# KiCad board PANEL_COM_MOD.kicad_pcb (continued)
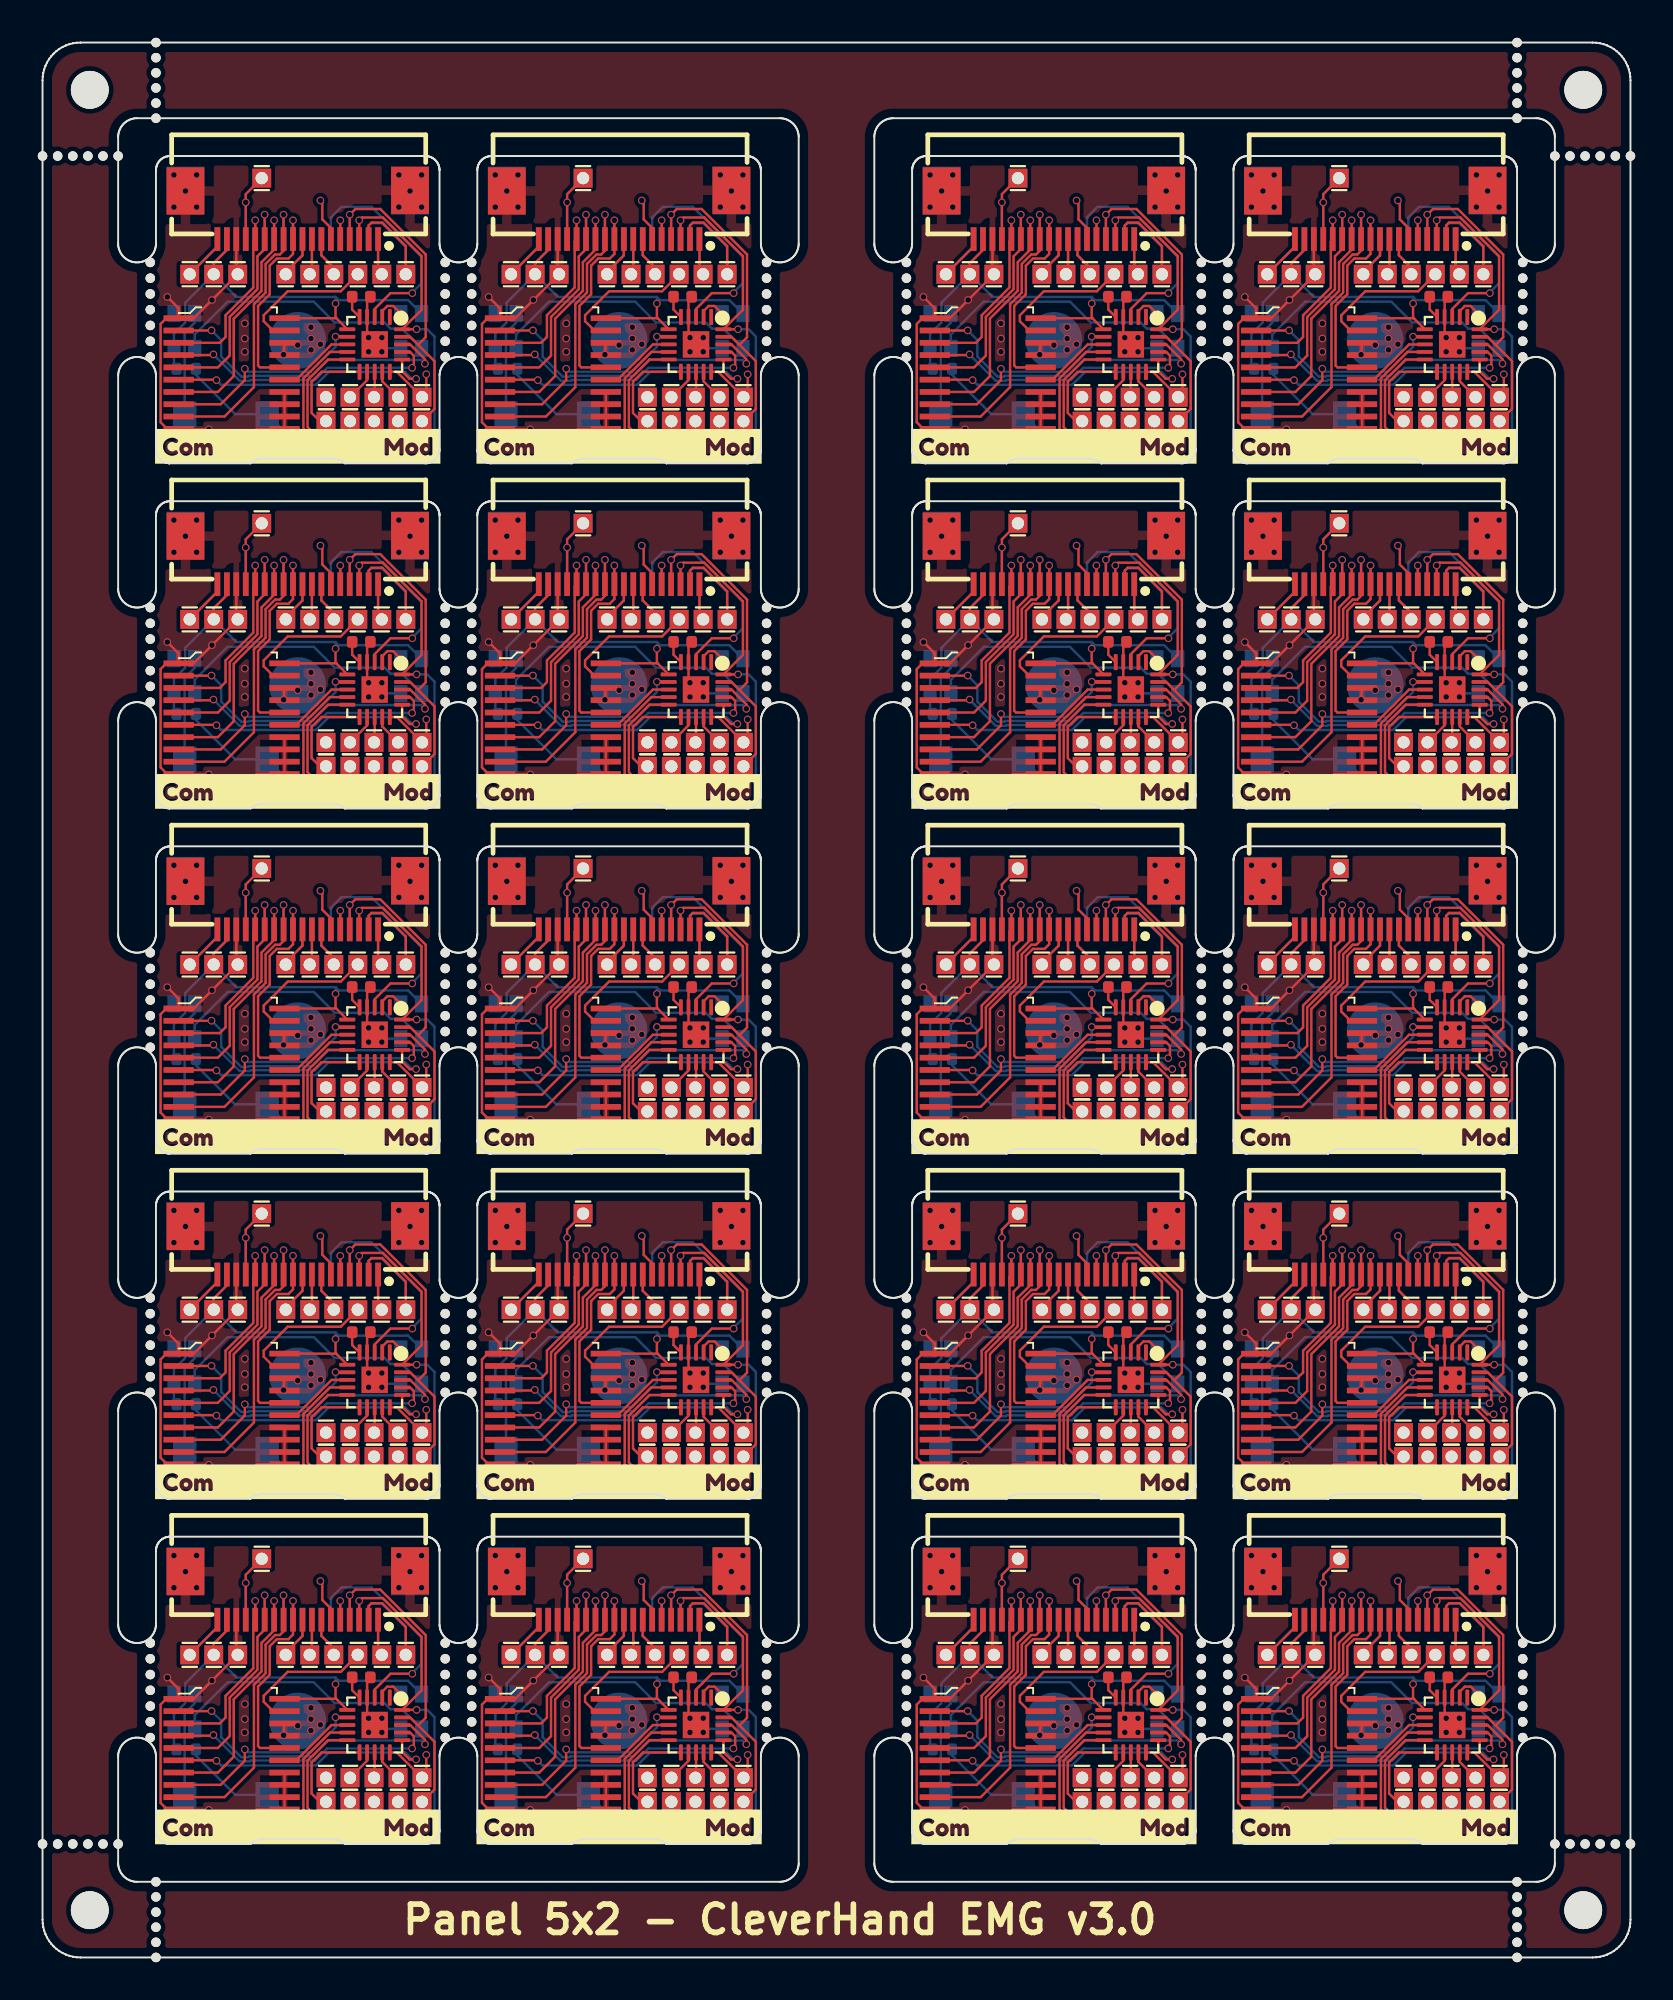
[diagram p0: board, top side]
## Routing (per net, layer and track width the routed paths; a pad name or vN(x,y) marks a point on that pad's centre or on a via; arc(x,y) is an arc through that point) (continued)
Board_7-Net-(LED1-DO): length 14.5
  Bottom w0.127: 77.05,66.84 76.01,67.88 75.41,67.88 75.09,68.2 72.45,68.2 71.35,69.3 66.79,69.3 65.05,67.56 65.05,66.84
Board_8-+3.3V: length 26.7
  Top w0.127: 9.75,54.33 9.75,53.79 9.05,53.09 J1#15.1 ; U2#20.20 15.53,50.18 15.55,50.16 ; 15.55,50.16 15.5,50.21 v1(15.5,50.95) ; 15.55,50.16 U1#10.6
  Bottom w0.127: J1#15.1 10.25,51.3 15.5,51.3 ; J1#15.1 7.55,50.99 7.55,49.95 6.95,49.35 6.95,47.64 R1#8.1 ; J1#15.1 9.05,53.09 9.75,53.79 9.75,54.33 ; 15.5,51.3 15.67,51.13 19.34,51.13 20.05,50.42 ; 15.5,51.3 v1(15.5,50.95)
Board_8-/addr_bus_0: length 10.5
  Top w0.127: v1(11.25,55.35) 11.25,54.33 11.15,54.23 11.15,51.8 9.68,50.33 9.68,49.18 9.37,48.88 U2#20.3
  Bottom w0.127: 11.25,54.33 v1(11.25,55.35)
Board_8-/addr_bus_1: length 12.5
  Top w0.127: U2#20.5 9.27,47.58 9.9,48.2 9.9,50.24 11.37,51.71 11.37,53.45 11.75,53.83 v1(11.75,55.65)
  Bottom w0.127: 11.75,54.33 v1(11.75,55.65)
Board_8-/addr_bus_2: length 13.4
  Top w0.127: U2#20.7 9.27,46.28 10.12,47.12 10.12,50.15 11.58,51.62 11.58,53.13 12.25,53.8 v1(12.25,55.35)
  Bottom w0.127: 12.25,54.33 v1(12.25,55.35)
Board_8-/addr_bus_3: length 15.9
  Top w0.127: v1(12.75,55.65) 12.75,53.74 12.55,53.55 12.3,53.55 11.8,53.04 11.8,51.53 11.18,50.91 11.18,46.53 9.62,44.98 U2#20.9
  Bottom w0.127: 12.75,54.33 v1(12.75,55.65)
Board_8-/addr_bus_4: length 11.3
  Top w0.127: U2#20.16 11.5,47.58 11.4,47.68 11.4,50.82 12.02,51.44 12.02,52.95 12.39,53.33 13.01,53.33 13.25,53.57 v1(13.25,55.35)
  Bottom w0.127: 13.25,54.33 v1(13.25,55.35)
Board_8-/addr_mod_0: length 16.8
  Top w0.127: v1(20.23,47.77) 20.23,48.01 19.44,48.79 U1#10.18 ; v1(8.94,49.53) 8.93,49.53 U2#20.2
  Bottom w0.127: v1(20.23,47.77) 20.03,47.97 15.12,47.97 14.27,47.13 10.91,47.13 10.87,47.09 10.51,47.09 9.45,48.15 9.45,49.02 v1(8.94,49.53)
Board_8-/addr_mod_1: length 14.6
  Top w0.127: v1(9.04,48.26) 9,48.23 U2#20.4 ; v1(19.55,47.55) 19.55,47.61 19.64,47.7 19.64,48.2 19.44,48.39 U1#10.17
  Bottom w0.127: v1(19.55,47.55) 15.05,47.55 14.41,46.91 11,46.91 10.96,46.87 10.42,46.87 9.04,48.25 v1(9.04,48.26)
Board_8-/addr_mod_2: length 14.6
  Top w0.127: v1(9.2,46.9) 9.17,46.93 U2#20.6 ; v1(19.76,46.97) 19.42,46.97 19.02,47.37 U1#10.16
  Bottom w0.127: v1(19.76,46.97) 19.55,46.97 19.18,47.33 15.14,47.33 14.46,46.65 9.45,46.65 v1(9.2,46.9)
Board_8-/addr_mod_3: length 11.2
  Top w0.127: v1(10.7,47.5) 10.7,46.9 9.42,45.63 U2#20.8 ; v1(15.5,49.2) 15.68,49.2 15.69,49.19 U1#10.7
  Bottom w0.127: v1(15.5,49.2) 15.5,48.66 14.18,47.35 10.85,47.35 v1(10.7,47.5)
Board_8-/addr_mod_4: length 4.1
  Top w0.127: U2#20.15 13.42,46.93 15.29,48.79 16.12,48.79 U1#10.8
Board_8-/AIN0: length 5.3
  Top w0.127: U1#10.11 14.76,47.34 14.23,46.81 14.23,45.17 14.67,44.73 15,44.73
Board_8-/AUX1: length 4.9
  Top w0.127: J19#17.1 9.25,53.97 9.25,54.33
  Bottom w0.127: J19#17.1 9.25,53.97 9.25,54.33
Board_8-/AUX2: length 9.5
  Top w0.127: J20#5.1 19.21,53.99 17.97,55.23 17.4,55.23 17.25,55.08 17.25,54.33
  Bottom w0.127: J20#5.1 19.21,53.94 17.96,55.2 17.37,55.2 17.25,55.08 17.25,54.33
Board_8-/AUX3: length 5.6
  Top w0.127: J3#13.1 10.75,56.74 v1(10.75,56.3) 10.75,54.33
  Bottom w0.127: v1(10.75,56.3) 10.75,54.33
Board_8-/CSB: length 7.5
  Top w0.127: J8#13.1 15.77,51.6 12.97,51.6 11.7,50.33 11.7,50.02 12.19,49.53 U2#20.19
Board_8-/extRef: length 3.8
  Top w0.127: 17.75,54.33 17.75,52.7 J9#3.1
  Bottom w0.127: 17.75,54.33 17.75,52.7 J9#3.1
Board_8-/GPIO: length 17.7
  Top w0.127: 16.27,44.73 15.62,44.08 14.36,44.08 14.02,44.42 14.02,46.9 15.1,47.99 U1#10.10
  Bottom w0.127: 16.27,44.73 15.62,44.08 12.91,44.08 11.88,45.1 10.19,45.1 8.11,47.18 R1#8.2
Board_8-/i2C_SCL: length 19.7
  Top w0.127: v1(19.79,49.59) U1#10.20 20.05,50.62 20.05,53.46 18.01,55.5 16.9,55.5 v1(16.75,55.35) 16.75,54.33
  Bottom w0.127: v1(19.79,49.59) 20.35,49.59 20.73,49.21 20.73,44.08 19.46,44.08 18.81,44.73 ; v1(16.75,55.35) 16.75,54.33
Board_8-/I2C_SDA: length 18.4
  Top w0.127: 19.87,48.77 20.73,47.9 20.73,45.38 20.08,44.73 ; 19.87,48.77 19.44,49.19 U1#10.19 ; 19.87,48.77 20.27,49.17 20.27,53.55 17.86,55.95 16.55,55.95 v1(16.25,55.65) 16.25,54.33
  Bottom w0.127: v1(16.25,55.65) 16.25,54.33
Board_8-/IO1_in: length 12.2
  Top w0.127: v1(19.56,51.5) 18.4,51.5 17.57,50.67 U1#10.3
  Bottom w0.127: v1(19.56,51.5) 19.56,51.54 20.05,52.03 20.05,53.41 17.4,56.06 15.81,56.06 15.25,55.5 15.25,54.33
Board_8-/IO1_out: length 19.7
  Top w0.127: 15.25,54.33 15.25,54.95 14.8,55.4 14.8,56.3 v1(14.7,56.4) ; v1(20.3,47.21) 20.3,46.22 20.08,46 18.74,47.34 U1#10.15
  In2.Cu w0.127: v1(20.3,47.21) 20.64,47.55 20.64,53.61 17.65,56.6 14.9,56.6 v1(14.7,56.4)
Board_8-/IO2: length 2.1
  Top w0.127: v1(15.75,55.35) 15.75,54.33
  Bottom w0.127: 15.75,54.33 v1(15.75,55.35)
Board_8-/LED_IN: length 1.6
  Top w0.127: U1#10.2 17.97,50.55 18.23,50.82 18.55,50.82 v1(18.95,50.42)
Board_8-/PICO: length 3.7
  Top w0.127: J6#7.1 14.25,52.62 14.25,54.33
  Bottom w0.127: J6#7.1 14.25,52.62 14.25,54.33
Board_8-/PICO_ARM: length 1.4
  Top w0.127: 17.54,46 17.57,46.03 U1#10.13
Board_8-/POCI: length 4.4
  Top w0.127: 13.75,54.33 13.75,53.5 12.86,52.62 J5#14.1
  Bottom w0.127: J5#14.1 12.86,52.62 13.75,53.5 13.75,54.33
Board_8-/SCLK: length 4.2
  Top w0.127: J7#11.1 15.41,52.85 14.75,53.5 14.75,54.33
  Bottom w0.127: J7#11.1 15.41,52.85 14.75,53.5 14.75,54.33
Board_8-/SCLK_ARM: length 1.7
  Top w0.127: 16.27,46 17.17,46.9 U1#10.12
Board_8-/SPICS_ARM: length 9.9
  Top w0.127: U1#10.9 15.2,48.39 13.8,46.99 13.8,44.33 14.27,43.86 16.67,43.86 17.54,44.73
Board_8-/SWDIO/POCI_ARM: length 1.7
  Top w0.127: U1#10.14 17.97,46.84 18.81,46
Board_8-/Vcap: length 1.2
  Top w0.127: C1#9.2 16.38,50.63 U1#10.5
Board_8-GND: length 34.7
  Top w0.127: U2#20.11 11.32,44.33 v1(11.1,44.1) ; U2#20.11 13.45,44.33 ; U2#20.11 U2#20.14 12.34,46.28 ; U2#20.1 7.2,50.7 v1(6.6,51.3) ; U2#20.1 8,50.18 v1(8.96,51.14) J2#4.1 10.25,52.58 10.25,54.33 ; U2#20.1 6.55,50.18 6.25,49.87 6.25,44.67 6.59,44.33 U2#20.10 7.23,44.3 v1(8.8,44.3) ; U2#20.18 v1(12.75,48.25) U2#20.17 ; U1#10.21 17.25,49.11 v1(17.25,49.15) 17.21,49.15 17.17,49.19 U1#10.4 17.17,51.14 C1#9.1
  Bottom w0.127: 17.66,48.59 17.76,48.59 v1(17.95,48.4) 18.13,48.59 18.95,48.59 ; 7.51,45.1 7.51,49.4 8.05,49.94 8.05,50.42 8.24,50.42 v1(8.96,51.14) ; J2#4.1 10.25,52.58 10.25,54.33
  vias: v1(6.95,57.75) v1(6.95,56.05) v1(7.56,56.9) v1(8.15,57.75) v1(8.15,56.05) v1(10.7,49.9) v1(10.7,49.1) v1(10.7,48.4) v1(13.5,48.75) v1(14.2,49.7) v1(14.2,49.1) v1(14.2,48.5) v1(14.7,48.8) v1(17.25,48.4) v1(17.95,49.15) v1(18.85,57.75) v1(18.85,56.05) v1(19.44,56.9) v1(20.05,57.75) v1(20.05,56.05)
Board_8-Net-(LED1-DO): length 14.5
  Bottom w0.127: 8.05,48.59 8.05,49.31 9.79,51.05 14.35,51.05 15.45,49.95 18.09,49.95 18.41,49.63 19.01,49.63 20.05,48.59
Board_9-+3.3V: length 26.7
  Top w0.127: U2#15.20 32.53,50.18 32.55,50.16 ; v1(32.5,50.95) 32.5,50.21 32.55,50.16 ; 26.75,54.33 26.75,53.79 26.05,53.09 J1#8.1 ; 32.55,50.16 U1#15.6
  Bottom w0.127: R1#17.1 23.95,47.64 23.95,49.35 24.55,49.95 24.55,50.99 J1#8.1 ; 37.05,50.42 36.34,51.13 32.67,51.13 32.5,51.3 ; 26.75,54.33 26.75,53.79 26.05,53.09 J1#8.1 ; J1#8.1 27.26,51.3 32.5,51.3 ; 32.5,51.3 v1(32.5,50.95)
Board_9-/addr_bus_0: length 10.5
  Top w0.127: v1(28.25,55.35) 28.25,54.33 28.15,54.23 28.15,51.8 26.68,50.33 26.68,49.18 26.37,48.88 U2#15.3
  Bottom w0.127: 28.25,54.33 v1(28.25,55.35)
Board_9-/addr_bus_1: length 12.5
  Top w0.127: U2#15.5 26.27,47.58 26.9,48.2 26.9,50.24 28.37,51.71 28.37,53.45 28.75,53.83 v1(28.75,55.65)
  Bottom w0.127: 28.75,54.33 v1(28.75,55.65)
Board_9-/addr_bus_2: length 13.4
  Top w0.127: v1(29.25,55.35) 29.25,53.8 28.58,53.13 28.58,51.62 27.12,50.15 27.12,47.12 26.27,46.28 U2#15.7
  Bottom w0.127: 29.25,54.33 v1(29.25,55.35)
Board_9-/addr_bus_3: length 15.9
  Top w0.127: v1(29.75,55.65) 29.75,53.74 29.55,53.55 29.3,53.55 28.8,53.04 28.8,51.53 28.18,50.91 28.18,46.53 26.62,44.98 U2#15.9
  Bottom w0.127: 29.75,54.33 v1(29.75,55.65)
Board_9-/addr_bus_4: length 11.3
  Top w0.127: v1(30.25,55.35) 30.25,53.57 30.01,53.33 29.39,53.33 29.02,52.95 29.02,51.44 28.4,50.82 28.4,47.68 28.5,47.58 U2#15.16
  Bottom w0.127: 30.25,54.33 v1(30.25,55.35)
Board_9-/addr_mod_0: length 16.8
  Top w0.127: v1(25.94,49.53) 25.93,49.53 U2#15.2 ; U1#15.18 36.44,48.79 37.23,48.01 v1(37.23,47.77)
  Bottom w0.127: v1(37.23,47.77) 37.03,47.97 32.12,47.97 31.27,47.13 27.91,47.13 27.87,47.09 27.51,47.09 26.45,48.15 26.45,49.02 v1(25.94,49.53)
Board_9-/addr_mod_1: length 14.6
  Top w0.127: U2#15.4 26,48.23 v1(26.04,48.26) ; v1(36.55,47.55) 36.55,47.61 36.64,47.7 36.64,48.2 36.44,48.39 U1#15.17
  Bottom w0.127: v1(26.04,48.26) 26.04,48.25 27.42,46.87 27.96,46.87 28,46.91 31.41,46.91 32.05,47.55 v1(36.55,47.55)
Board_9-/addr_mod_2: length 14.6
  Top w0.127: v1(36.76,46.97) 36.42,46.97 36.02,47.37 U1#15.16 ; U2#15.6 26.17,46.93 v1(26.2,46.9)
  Bottom w0.127: v1(36.76,46.97) 36.55,46.97 36.18,47.33 32.14,47.33 31.46,46.65 26.45,46.65 v1(26.2,46.9)
Board_9-/addr_mod_3: length 11.2
  Top w0.127: U2#15.8 26.42,45.63 27.7,46.9 v1(27.7,47.5) ; U1#15.7 32.69,49.19 32.68,49.2 v1(32.5,49.2)
  Bottom w0.127: v1(32.5,49.2) 32.5,48.66 31.18,47.35 27.85,47.35 v1(27.7,47.5)
Board_9-/addr_mod_4: length 4.1
  Top w0.127: U1#15.8 33.12,48.79 32.29,48.79 30.42,46.93 U2#15.15
Board_9-/AIN0: length 5.3
  Top w0.127: 32,44.73 31.67,44.73 31.23,45.17 31.23,46.81 31.76,47.34 U1#15.11
Board_9-/AUX1: length 4.9
  Top w0.127: 26.25,54.33 26.25,53.97 J19#3.1
  Bottom w0.127: 26.25,54.33 26.25,53.97 J19#3.1
Board_9-/AUX2: length 9.5
  Top w0.127: J20#8.1 36.22,53.99 34.97,55.23 34.4,55.23 34.25,55.08 34.25,54.33
  Bottom w0.127: 34.25,54.33 34.25,55.08 34.37,55.2 34.96,55.2 36.22,53.94 J20#8.1
Board_9-/AUX3: length 5.6
  Top w0.127: J3#17.1 27.75,56.74 v1(27.75,56.3) 27.75,54.33
  Bottom w0.127: v1(27.75,56.3) 27.75,54.33
Board_9-/CSB: length 7.5
  Top w0.127: J8.1 32.77,51.6 29.97,51.6 28.7,50.33 28.7,50.02 29.19,49.53 U2#15.19
Board_9-/extRef: length 3.8
  Top w0.127: J9#15.1 34.75,52.7 34.75,54.33
  Bottom w0.127: J9#15.1 34.75,52.7 34.75,54.33
Board_9-/GPIO: length 17.7
  Top w0.127: 33.27,44.73 32.62,44.08 31.36,44.08 31.02,44.42 31.02,46.9 32.1,47.99 U1#15.10
  Bottom w0.127: 33.27,44.73 32.62,44.08 29.91,44.08 28.88,45.1 27.19,45.1 25.11,47.18 R1#17.2
Board_9-/i2C_SCL: length 19.7
  Top w0.127: v1(36.79,49.59) U1#15.20 37.05,50.62 37.05,53.46 35.01,55.5 33.9,55.5 v1(33.75,55.35) 33.75,54.33
  Bottom w0.127: v1(36.79,49.59) 37.35,49.59 37.73,49.21 37.73,44.08 36.46,44.08 35.81,44.73 ; v1(33.75,55.35) 33.75,54.33
Board_9-/I2C_SDA: length 18.4
  Top w0.127: 33.25,54.33 v1(33.25,55.65) 33.55,55.95 34.86,55.95 37.27,53.55 37.27,49.17 36.87,48.77 ; 36.87,48.77 36.44,49.19 U1#15.19 ; 36.87,48.77 37.73,47.9 37.73,45.38 37.08,44.73
  Bottom w0.127: v1(33.25,55.65) 33.25,54.33
Board_9-/IO1_in: length 12.2
  Top w0.127: U1#15.3 34.57,50.67 35.4,51.5 v1(36.56,51.5)
  Bottom w0.127: v1(36.56,51.5) 36.56,51.54 37.05,52.03 37.05,53.41 34.4,56.06 32.81,56.06 32.25,55.5 32.25,54.33
Board_9-/IO1_out: length 19.7
  Top w0.127: v1(37.3,47.21) 37.3,46.22 37.08,46 35.74,47.34 U1#15.15 ; v1(31.7,56.4) 31.8,56.3 31.8,55.4 32.25,54.95 32.25,54.33
  In2.Cu w0.127: v1(31.7,56.4) 31.9,56.6 34.65,56.6 37.64,53.61 37.64,47.55 v1(37.3,47.21)
Board_9-/IO2: length 2.1
  Top w0.127: v1(32.75,55.35) 32.75,54.33
  Bottom w0.127: 32.75,54.33 v1(32.75,55.35)
Board_9-/LED_IN: length 1.6
  Top w0.127: U1#15.2 34.97,50.55 35.23,50.82 35.55,50.82 v1(35.95,50.42)
Board_9-/PICO: length 3.7
  Top w0.127: 31.25,54.33 31.25,52.62 J6#10.1
  Bottom w0.127: J6#10.1 31.25,52.62 31.25,54.33
Board_9-/PICO_ARM: length 1.4
  Top w0.127: U1#15.13 34.57,46.03 34.54,46
Board_9-/POCI: length 4.4
  Top w0.127: J5#8.1 29.87,52.62 30.75,53.5 30.75,54.33
  Bottom w0.127: 30.75,54.33 30.75,53.5 29.87,52.62 J5#8.1
Board_9-/SCLK: length 4.2
  Top w0.127: 31.75,54.33 31.75,53.5 32.41,52.85 J7#3.1
  Bottom w0.127: J7#3.1 32.41,52.85 31.75,53.5 31.75,54.33
Board_9-/SCLK_ARM: length 1.7
  Top w0.127: U1#15.12 34.17,46.9 33.27,46
Board_9-/SPICS_ARM: length 9.9
  Top w0.127: 34.54,44.73 33.67,43.86 31.27,43.86 30.8,44.33 30.8,46.99 32.2,48.39 U1#15.9
Board_9-/SWDIO/POCI_ARM: length 1.7
  Top w0.127: 35.81,46 34.97,46.84 U1#15.14
Board_9-/Vcap: length 1.2
  Top w0.127: U1#15.5 33.38,50.63 C1#16.2
Board_9-GND: length 34.7
  Top w0.127: U2#15.11 30.45,44.33 ; U2#15.11 U2#15.14 29.34,46.28 ; U2#15.11 28.32,44.33 v1(28.1,44.1) ; U2#15.18 v1(29.75,48.25) U2#15.17 ; U2#15.1 25,50.18 v1(25.96,51.14) J2#15.1 27.25,52.58 27.25,54.33 ; U2#15.1 24.2,50.7 v1(23.6,51.3) ; U2#15.1 23.55,50.18 23.25,49.87 23.25,44.67 23.59,44.33 U2#15.10 24.23,44.3 v1(25.8,44.3) ; U1#15.21 34.25,49.11 v1(34.25,49.15) 34.21,49.15 34.17,49.19 U1#15.4 34.17,51.14 C1#16.1
  Bottom w0.127: 34.66,48.59 34.76,48.59 v1(34.95,48.4) 35.13,48.59 35.95,48.59 ; 24.51,45.1 24.51,49.4 25.05,49.94 25.05,50.42 25.24,50.42 v1(25.96,51.14) ; 27.25,54.33 27.25,52.58 J2#15.1
  vias: v1(23.95,57.75) v1(23.95,56.05) v1(24.56,56.9) v1(25.15,57.75) v1(25.15,56.05) v1(27.7,49.9) v1(27.7,49.1) v1(27.7,48.4) v1(30.5,48.75) v1(31.2,49.7) v1(31.2,49.1) v1(31.2,48.5) v1(31.7,48.8) v1(34.25,48.4) v1(34.95,49.15) v1(35.85,57.75) v1(35.85,56.05) v1(36.44,56.9) v1(37.05,57.75) v1(37.05,56.05)
Board_9-Net-(LED1-DO): length 14.5
  Bottom w0.127: 25.05,48.59 25.05,49.31 26.79,51.05 31.35,51.05 32.45,49.95 35.09,49.95 35.41,49.63 36.01,49.63 37.05,48.59
Board_10-+3.3V: length 26.7
  Top w0.127: 55.55,50.16 55.5,50.21 v1(55.5,50.95) ; 55.55,50.16 55.53,50.18 U2#2.20 ; 55.55,50.16 U1#14.6 ; 49.75,54.33 49.75,53.79 49.05,53.09 J1#19.1
  Bottom w0.127: R1#5.1 46.95,47.64 46.95,49.35 47.55,49.95 47.55,50.99 J1#19.1 ; 55.5,51.3 50.26,51.3 J1#19.1 ; 55.5,51.3 55.67,51.13 59.34,51.13 60.05,50.42 ; 55.5,51.3 v1(55.5,50.95) ; J1#19.1 49.05,53.09 49.75,53.79 49.75,54.33
Board_10-/addr_bus_0: length 10.5
  Top w0.127: U2#2.3 49.37,48.88 49.68,49.18 49.68,50.33 51.15,51.8 51.15,54.23 51.25,54.33 v1(51.25,55.35)
  Bottom w0.127: 51.25,54.33 v1(51.25,55.35)
Board_10-/addr_bus_1: length 12.5
  Top w0.127: v1(51.75,55.65) 51.75,53.83 51.37,53.45 51.37,51.71 49.9,50.24 49.9,48.2 49.27,47.58 U2#2.5
  Bottom w0.127: 51.75,54.33 v1(51.75,55.65)
Board_10-/addr_bus_2: length 13.4
  Top w0.127: U2#2.7 49.27,46.28 50.12,47.12 50.12,50.15 51.58,51.62 51.58,53.13 52.25,53.8 v1(52.25,55.35)
  Bottom w0.127: 52.25,54.33 v1(52.25,55.35)
Board_10-/addr_bus_3: length 15.9
  Top w0.127: v1(52.75,55.65) 52.75,53.74 52.55,53.55 52.3,53.55 51.8,53.04 51.8,51.53 51.18,50.91 51.18,46.53 49.62,44.98 U2#2.9
  Bottom w0.127: 52.75,54.33 v1(52.75,55.65)
Board_10-/addr_bus_4: length 11.3
  Top w0.127: U2#2.16 51.5,47.58 51.4,47.68 51.4,50.82 52.02,51.44 52.02,52.95 52.39,53.33 53.01,53.33 53.25,53.57 v1(53.25,55.35)
  Bottom w0.127: 53.25,54.33 v1(53.25,55.35)
Board_10-/addr_mod_0: length 16.8
  Top w0.127: U2#2.2 48.93,49.53 v1(48.94,49.53) ; U1#14.18 59.44,48.79 60.23,48.01 v1(60.23,47.77)
  Bottom w0.127: v1(60.23,47.77) 60.03,47.97 55.12,47.97 54.27,47.13 50.91,47.13 50.87,47.09 50.51,47.09 49.45,48.15 49.45,49.02 v1(48.94,49.53)
Board_10-/addr_mod_1: length 14.6
  Top w0.127: v1(59.55,47.55) 59.55,47.61 59.64,47.7 59.64,48.2 59.44,48.39 U1#14.17 ; v1(49.04,48.26) 49,48.23 U2#2.4
  Bottom w0.127: v1(49.04,48.26) 49.04,48.25 50.42,46.87 50.96,46.87 51,46.91 54.41,46.91 55.05,47.55 v1(59.55,47.55)
Board_10-/addr_mod_2: length 14.6
  Top w0.127: v1(59.76,46.97) 59.42,46.97 59.02,47.37 U1#14.16 ; U2#2.6 49.17,46.93 v1(49.2,46.9)
  Bottom w0.127: v1(49.2,46.9) 49.45,46.65 54.46,46.65 55.14,47.33 59.18,47.33 59.55,46.97 v1(59.76,46.97)
Board_10-/addr_mod_3: length 11.2
  Top w0.127: U1#14.7 55.69,49.19 55.68,49.2 v1(55.5,49.2) ; U2#2.8 49.42,45.63 50.7,46.9 v1(50.7,47.5)
  Bottom w0.127: v1(50.7,47.5) 50.85,47.35 54.18,47.35 55.5,48.66 v1(55.5,49.2)
Board_10-/addr_mod_4: length 4.1
  Top w0.127: U2#2.15 53.42,46.93 55.29,48.79 56.12,48.79 U1#14.8
Board_10-/AIN0: length 5.3
  Top w0.127: U1#14.11 54.76,47.34 54.23,46.81 54.23,45.17 54.67,44.73 55,44.73
Board_10-/AUX1: length 4.9
  Top w0.127: 49.25,54.33 49.25,53.97 J19#10.1
  Bottom w0.127: J19#10.1 49.25,53.97 49.25,54.33
Board_10-/AUX2: length 9.5
  Top w0.127: 57.25,54.33 57.25,55.08 57.4,55.23 57.97,55.23 59.22,53.99 J20#17.1
  Bottom w0.127: 57.25,54.33 57.25,55.08 57.37,55.2 57.96,55.2 59.22,53.94 J20#17.1
Board_10-/AUX3: length 5.6
  Top w0.127: J3#6.1 50.75,56.74 v1(50.75,56.3) 50.75,54.33
  Bottom w0.127: v1(50.75,56.3) 50.75,54.33
Board_10-/CSB: length 7.5
  Top w0.127: J8#19.1 55.77,51.6 52.97,51.6 51.7,50.33 51.7,50.02 52.19,49.53 U2#2.19
Board_10-/extRef: length 3.8
  Top w0.127: J9#11.1 57.75,52.7 57.75,54.33
  Bottom w0.127: J9#11.1 57.75,52.7 57.75,54.33
Board_10-/GPIO: length 17.7
  Top w0.127: U1#14.10 55.1,47.99 54.02,46.9 54.02,44.42 54.36,44.08 55.62,44.08 56.27,44.73
  Bottom w0.127: R1#5.2 48.11,47.18 50.19,45.1 51.88,45.1 52.91,44.08 55.62,44.08 56.27,44.73
Board_10-/i2C_SCL: length 19.7
  Top w0.127: v1(59.79,49.59) U1#14.20 60.05,50.62 60.05,53.46 58.01,55.5 56.9,55.5 v1(56.75,55.35) 56.75,54.33
  Bottom w0.127: 58.81,44.73 59.46,44.08 60.73,44.08 60.73,49.21 60.35,49.59 v1(59.79,49.59) ; v1(56.75,55.35) 56.75,54.33
Board_10-/I2C_SDA: length 18.4
  Top w0.127: 60.08,44.73 60.73,45.38 60.73,47.9 59.87,48.77 ; 59.87,48.77 59.44,49.19 U1#14.19 ; 59.87,48.77 60.27,49.17 60.27,53.55 57.86,55.95 56.55,55.95 v1(56.25,55.65) 56.25,54.33
  Bottom w0.127: v1(56.25,55.65) 56.25,54.33
Board_10-/IO1_in: length 12.2
  Top w0.127: v1(59.56,51.5) 58.4,51.5 57.57,50.67 U1#14.3
  Bottom w0.127: 55.25,54.33 55.25,55.5 55.81,56.06 57.4,56.06 60.05,53.41 60.05,52.03 59.56,51.54 v1(59.56,51.5)
Board_10-/IO1_out: length 19.7
  Top w0.127: U1#14.15 58.74,47.34 60.08,46 60.3,46.22 v1(60.3,47.21) ; v1(54.7,56.4) 54.8,56.3 54.8,55.4 55.25,54.95 55.25,54.33
  In2.Cu w0.127: v1(54.7,56.4) 54.9,56.6 57.65,56.6 60.64,53.61 60.64,47.55 v1(60.3,47.21)
Board_10-/IO2: length 2.1
  Top w0.127: v1(55.75,55.35) 55.75,54.33
  Bottom w0.127: 55.75,54.33 v1(55.75,55.35)
Board_10-/LED_IN: length 1.6
  Top w0.127: U1#14.2 57.97,50.55 58.23,50.82 58.55,50.82 v1(58.95,50.42)
Board_10-/PICO: length 3.7
  Top w0.127: 54.25,54.33 54.25,52.62 J6#15.1
  Bottom w0.127: J6#15.1 54.25,52.62 54.25,54.33
Board_10-/PICO_ARM: length 1.4
  Top w0.127: 57.54,46 57.57,46.03 U1#14.13
Board_10-/POCI: length 4.4
  Top w0.127: J5#20.1 52.87,52.62 53.75,53.5 53.75,54.33
  Bottom w0.127: 53.75,54.33 53.75,53.5 52.87,52.62 J5#20.1
Board_10-/SCLK: length 4.2
  Top w0.127: 54.75,54.33 54.75,53.5 55.41,52.85 J7#18.1
  Bottom w0.127: J7#18.1 55.41,52.85 54.75,53.5 54.75,54.33
Board_10-/SCLK_ARM: length 1.7
  Top w0.127: 56.27,46 57.17,46.9 U1#14.12
Board_10-/SPICS_ARM: length 9.9
  Top w0.127: U1#14.9 55.2,48.39 53.8,46.99 53.8,44.33 54.27,43.86 56.67,43.86 57.54,44.73
Board_10-/SWDIO/POCI_ARM: length 1.7
  Top w0.127: U1#14.14 57.97,46.84 58.81,46
Board_10-/Vcap: length 1.2
  Top w0.127: C1#2.2 56.38,50.63 U1#14.5
Board_10-GND: length 34.7
  Top w0.127: C1#2.1 57.17,51.14 U1#14.4 57.17,49.19 57.21,49.15 v1(57.25,49.15) 57.25,49.11 U1#14.21 ; v1(48.8,44.3) 47.23,44.3 U2#2.10 46.59,44.33 46.25,44.67 46.25,49.87 46.55,50.18 U2#2.1 ; U2#2.1 48,50.18 v1(48.96,51.14) J2#18.1 50.25,52.58 50.25,54.33 ; U2#2.1 47.2,50.7 v1(46.6,51.3) ; U2#2.18 v1(52.75,48.25) U2#2.17 ; U2#2.11 51.32,44.33 v1(51.1,44.1) ; U2#2.11 U2#2.14 52.34,46.28 ; U2#2.11 53.45,44.33
  Bottom w0.127: 50.25,54.33 50.25,52.58 J2#18.1 ; 57.66,48.59 57.76,48.59 v1(57.95,48.4) 58.13,48.59 58.95,48.59 ; v1(48.96,51.14) 48.24,50.42 48.05,50.42 48.05,49.94 47.51,49.4 47.51,45.1
  vias: v1(46.95,57.75) v1(46.95,56.05) v1(47.56,56.9) v1(48.15,57.75) v1(48.15,56.05) v1(50.7,49.9) v1(50.7,49.1) v1(50.7,48.4) v1(53.5,48.75) v1(54.2,49.7) v1(54.2,49.1) v1(54.2,48.5) v1(54.7,48.8) v1(57.25,48.4) v1(57.95,49.15) v1(58.85,57.75) v1(58.85,56.05) v1(59.44,56.9) v1(60.05,57.75) v1(60.05,56.05)
Board_10-Net-(LED1-DO): length 14.5
  Bottom w0.127: 60.05,48.59 59.01,49.63 58.41,49.63 58.09,49.95 55.45,49.95 54.35,51.05 49.79,51.05 48.05,49.31 48.05,48.59
Board_11-+3.3V: length 26.7
  Top w0.127: J1#16.1 66.06,53.09 66.75,53.79 66.75,54.33 ; 72.55,50.16 72.53,50.18 U2#3.20 ; 72.55,50.16 72.5,50.21 v1(72.5,50.95) ; 72.55,50.16 U1#18.6
  Bottom w0.127: 72.5,51.3 v1(72.5,50.95) ; 72.5,51.3 72.67,51.13 76.34,51.13 77.05,50.42 ; 72.5,51.3 67.25,51.3 J1#16.1 ; 66.75,54.33 66.75,53.79 66.06,53.09 J1#16.1 ; J1#16.1 64.55,50.99 64.55,49.95 63.95,49.35 63.95,47.64 R1#18.1
Board_11-/addr_bus_0: length 10.5
  Top w0.127: v1(68.25,55.35) 68.25,54.33 68.15,54.23 68.15,51.8 66.68,50.33 66.68,49.18 66.37,48.88 U2#3.3
  Bottom w0.127: 68.25,54.33 v1(68.25,55.35)
Board_11-/addr_bus_1: length 12.5
  Top w0.127: U2#3.5 66.27,47.58 66.9,48.2 66.9,50.24 68.37,51.71 68.37,53.45 68.75,53.83 v1(68.75,55.65)
  Bottom w0.127: 68.75,54.33 v1(68.75,55.65)
Board_11-/addr_bus_2: length 13.4
  Top w0.127: U2#3.7 66.27,46.28 67.12,47.12 67.12,50.15 68.58,51.62 68.58,53.13 69.25,53.8 v1(69.25,55.35)
  Bottom w0.127: 69.25,54.33 v1(69.25,55.35)
Board_11-/addr_bus_3: length 15.9
  Top w0.127: U2#3.9 66.62,44.98 68.18,46.53 68.18,50.91 68.8,51.53 68.8,53.04 69.3,53.55 69.55,53.55 69.75,53.74 v1(69.75,55.65)
  Bottom w0.127: 69.75,54.33 v1(69.75,55.65)
Board_11-/addr_bus_4: length 11.3
  Top w0.127: v1(70.25,55.35) 70.25,53.57 70.01,53.33 69.39,53.33 69.02,52.95 69.02,51.44 68.4,50.82 68.4,47.68 68.5,47.58 U2#3.16
  Bottom w0.127: 70.25,54.33 v1(70.25,55.35)
Board_11-/addr_mod_0: length 16.8
  Top w0.127: v1(77.23,47.77) 77.23,48.01 76.44,48.79 U1#18.18 ; U2#3.2 65.93,49.53 v1(65.94,49.53)
  Bottom w0.127: v1(65.94,49.53) 66.45,49.02 66.45,48.15 67.51,47.09 67.87,47.09 67.91,47.13 71.27,47.13 72.12,47.97 77.03,47.97 v1(77.23,47.77)
Board_11-/addr_mod_1: length 14.6
  Top w0.127: v1(76.55,47.55) 76.55,47.61 76.64,47.7 76.64,48.2 76.44,48.39 U1#18.17 ; v1(66.04,48.26) 66,48.23 U2#3.4
  Bottom w0.127: v1(76.55,47.55) 72.05,47.55 71.41,46.91 68,46.91 67.96,46.87 67.42,46.87 66.04,48.25 v1(66.04,48.26)
Board_11-/addr_mod_2: length 14.6
  Top w0.127: U2#3.6 66.17,46.93 v1(66.2,46.9) ; v1(76.76,46.97) 76.42,46.97 76.02,47.37 U1#18.16
  Bottom w0.127: v1(76.76,46.97) 76.55,46.97 76.18,47.33 72.14,47.33 71.46,46.65 66.45,46.65 v1(66.2,46.9)
Board_11-/addr_mod_3: length 11.2
  Top w0.127: U2#3.8 66.42,45.63 67.7,46.9 v1(67.7,47.5) ; U1#18.7 72.69,49.19 72.68,49.2 v1(72.5,49.2)
  Bottom w0.127: v1(72.5,49.2) 72.5,48.66 71.18,47.35 67.85,47.35 v1(67.7,47.5)
Board_11-/addr_mod_4: length 4.1
  Top w0.127: U2#3.15 70.42,46.93 72.29,48.79 73.12,48.79 U1#18.8
Board_11-/AIN0: length 5.3
  Top w0.127: U1#18.11 71.76,47.34 71.23,46.81 71.23,45.17 71.67,44.73 72,44.73
Board_11-/AUX1: length 4.9
  Top w0.127: J19#7.1 66.25,53.97 66.25,54.33
  Bottom w0.127: 66.25,54.33 66.25,53.97 J19#7.1
Board_11-/AUX2: length 9.5
  Top w0.127: J20#9.1 76.22,53.99 74.97,55.23 74.4,55.23 74.25,55.08 74.25,54.33
  Bottom w0.127: 74.25,54.33 74.25,55.08 74.37,55.2 74.96,55.2 76.22,53.94 J20#9.1
Board_11-/AUX3: length 5.6
  Top w0.127: 67.75,54.33 v1(67.75,56.3) 67.75,56.74 J3.1
  Bottom w0.127: v1(67.75,56.3) 67.75,54.33
Board_11-/CSB: length 7.5
  Top w0.127: J8#12.1 72.78,51.6 69.97,51.6 68.7,50.33 68.7,50.02 69.19,49.53 U2#3.19
Board_11-/extRef: length 3.8
  Top w0.127: J9.1 74.75,52.7 74.75,54.33
  Bottom w0.127: 74.75,54.33 74.75,52.7 J9.1
Board_11-/GPIO: length 17.7
  Top w0.127: U1#18.10 72.1,47.99 71.02,46.9 71.02,44.42 71.36,44.08 72.62,44.08 73.27,44.73
  Bottom w0.127: 73.27,44.73 72.62,44.08 69.91,44.08 68.88,45.1 67.19,45.1 65.11,47.18 R1#18.2
Board_11-/i2C_SCL: length 19.7
  Top w0.127: v1(76.79,49.59) U1#18.20 77.05,50.62 77.05,53.46 75.01,55.5 73.9,55.5 v1(73.75,55.35) 73.75,54.33
  Bottom w0.127: v1(76.79,49.59) 77.35,49.59 77.73,49.21 77.73,44.08 76.46,44.08 75.81,44.73 ; v1(73.75,55.35) 73.75,54.33
Board_11-/I2C_SDA: length 18.4
  Top w0.127: 76.87,48.77 77.27,49.17 77.27,53.55 74.86,55.95 73.55,55.95 v1(73.25,55.65) 73.25,54.33 ; 76.87,48.77 77.73,47.9 77.73,45.38 77.08,44.73 ; 76.87,48.77 76.44,49.19 U1#18.19
  Bottom w0.127: v1(73.25,55.65) 73.25,54.33
Board_11-/IO1_in: length 12.2
  Top w0.127: U1#18.3 74.57,50.67 75.4,51.5 v1(76.56,51.5)
  Bottom w0.127: v1(76.56,51.5) 76.56,51.54 77.05,52.03 77.05,53.41 74.4,56.06 72.81,56.06 72.25,55.5 72.25,54.33
Board_11-/IO1_out: length 19.7
  Top w0.127: v1(77.3,47.21) 77.3,46.22 77.08,46 75.74,47.34 U1#18.15 ; v1(71.7,56.4) 71.8,56.3 71.8,55.4 72.25,54.95 72.25,54.33
  In2.Cu w0.127: v1(77.3,47.21) 77.64,47.55 77.64,53.61 74.65,56.6 71.9,56.6 v1(71.7,56.4)
Board_11-/IO2: length 2.1
  Top w0.127: v1(72.75,55.35) 72.75,54.33
  Bottom w0.127: 72.75,54.33 v1(72.75,55.35)
Board_11-/LED_IN: length 1.6
  Top w0.127: U1#18.2 74.97,50.55 75.23,50.82 75.55,50.82 v1(75.95,50.42)
Board_11-/PICO: length 3.7
  Top w0.127: 71.25,54.33 71.25,52.62 J6#6.1
  Bottom w0.127: 71.25,54.33 71.25,52.62 J6#6.1
Board_11-/PICO_ARM: length 1.4
  Top w0.127: U1#18.13 74.57,46.03 74.54,46